# Altium PCB Face_3Key1V0.PcbDoc
Units mm, origin at the board's own origin, x right, y up, seen from the top; angles counter-clockwise.
Board outline 93 x 12 mm, 2 copper layers (Top Layer, Bottom Layer), stack 1.581 mm thick; 4 components, 4 nets, 22 pads, 6 vias.
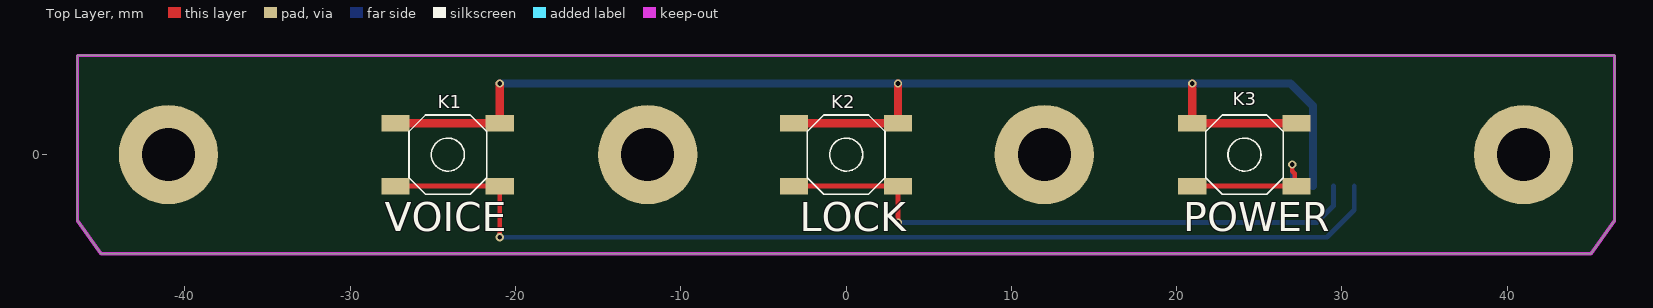
[diagram p0: Top Layer view]
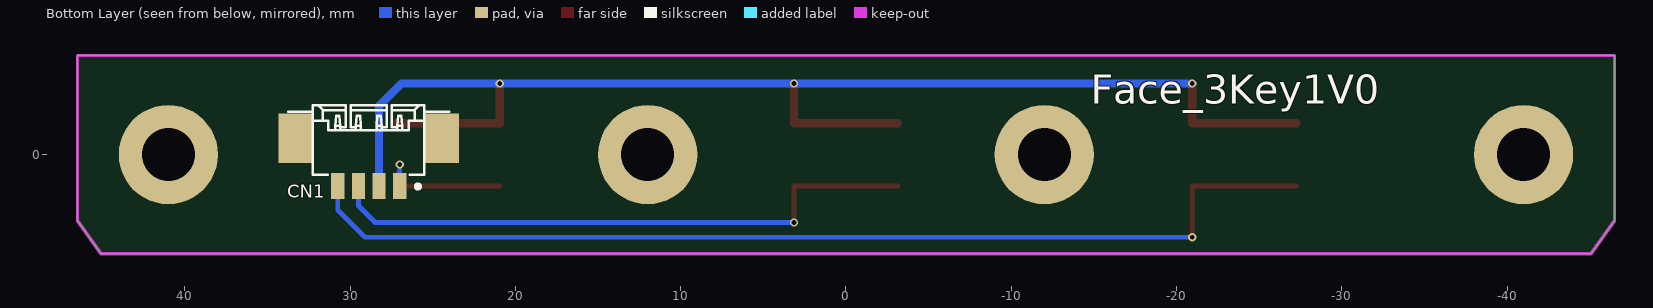
[diagram p1: Bottom Layer view, seen from below]
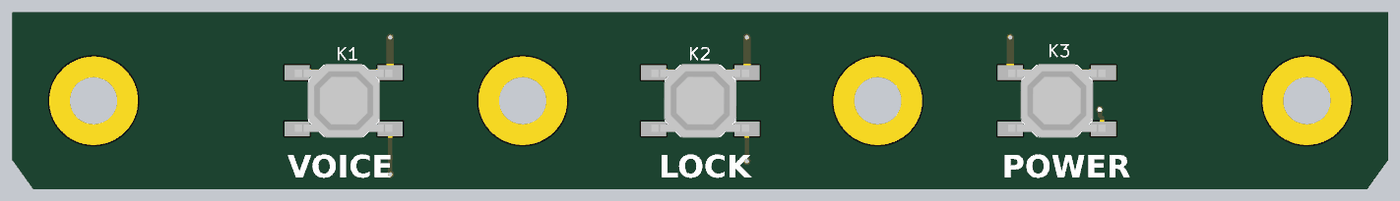
[diagram p2: 3D render of the assembled board from above, using the file's embedded part models]

## Layer stack, top to bottom
Top Solder: solder mask 0.0102, Solder Resist, Dk 3.5
Top Layer: signal copper 0.0356
Dielectric 1: dielectric 1.51, FR-4, Dk 4.8
Bottom Layer: signal copper 0.0356
Bottom Solder: solder mask 0.0102, Solder Resist, Dk 3.5

## Board outline
-46.5,-4 -45.071,-6 45.071,-6 46.5,-4 46.5,6 -46.5,6

## Design rules (kind name [scope] priority, off if disabled: settings)
Clearance [All] p1: gap=0.254 ignorepadtopadclearanceinfootprint=FALSE
HoleSize [All] p1: absolutevalues=TRUE maxlimit=5 minlimit=0.025 maxpercent=80.000 minpercent=20.000
HoleToHoleClearance [All] p1: gap=0 allowstackedmicrovias=TRUE
MinimumSolderMaskSliver [All] p1: minsoldermaskwidth=0.001
PolygonConnect PolygonConnect_GND [(OnLayer('Top Layer') OR OnLayer('BOTTOM Layer') ) AND InNet('GND')] p1: thpad.connectstyle=Relief thpad.reliefconductorwidth=0.254 thpad.reliefentries=4 thpad.polygonreliefangle="90 Angle" thpad.airgapwidth=0.254 smdpad.connectstyle=Relief smdpad.reliefconductorwidth=0.254 smdpad.reliefentries=4 smdpad.polygonreliefangle="90 Angle" smdpad.airgapwidth=0.254 via.connectstyle=Direct via.reliefconductorwidth=0.254 via.reliefentries=4 via.polygonreliefangle="90 Angle" via.airgapwidth=0.254
PolygonConnect PolygonConnect_VIA [ISVIA] p2: connectstyle=Direct reliefconductorwidth=0.254 reliefentries=4 polygonreliefangle="90 Angle" airgapwidth=0.254
PolygonConnect [All] p3: connectstyle=Direct reliefconductorwidth=0.254 reliefentries=4 polygonreliefangle="90 Angle" airgapwidth=0.254
RoomDefinition Face_3Key1V0 [InComponentClass('Face_3Key1V0')] p1: confinementstyle=ConfineIn formatcopy=TRUE lockcomponents=FALSE outline -48,-7.6 48.1,-7.6 48.1,7.4 -48,7.4
RoutingVias [All] p1: holewidth=0.711 width=1.27 viastyle="Through Hole" minholewidth=0.3 minwidth=0.5 maxholewidth=1 maxwidth=2
SilkToSilkClearance [All] p1: silktosilkclearance=0
SilkToSolderMaskClearance [IsPad] p1: minsilkscreentomaskgap=0 clearancetoexposedcopper=TRUE
SolderMaskExpansion [All] p1: expansion=0.102 istentingtop=FALSE
Width [All] p1: maxlimit=3 minlimit=0.15 preferedwidth=0.254
25 further rules are at their usual default settings.

## Components (designator, comment, footprint, x,y, rotation, side; value= is the part's Value field where it differs from the comment)
CN1 "SH1.25-4P-SMD-TOP" SH1.25_4P_SMd_SIDE 24.45,1 r0 bottom
K1 "KEY 5.2X5.2X1.5" "5.2X5.2X1.5 TACT SWITCH" -24.1,0 r180 top locked
K2 "KEY 5.2X5.2X1.5" "5.2X5.2X1.5 TACT SWITCH" 0,0 r180 top locked
K3 "KEY 5.2X5.2X1.5" "5.2X5.2X1.5 TACT SWITCH" 24.1,0 r180 top locked

## Footprints (in the part's own frame and the unit in brackets; to place one, negate y for a bottom-side part, rotate by r counter-clockwise, add the part's x,y. Pads: shape width x height; smd on the part's side, far side on the other; paste and mask are expansions set on the pad)
"5.2X5.2X1.5 TACT SWITCH" [mm]
  rect 1.7x1 smd: 1(-3.15,1.9) 2(3.15,1.9) 3(-3.15,-1.9) 4(3.15,-1.9)
  silkscreen extent -2.36,-2.4 2.34,2.4, body extent -3.3,-2.5 3.3,2.5, height 1.5
SH1.25_4P_SMd_SIDE [mm] "WTB 1.25MM WAFER 90 DEGREE SMT"
  rect 0.8x1.6 smd: 1(2.55,2.9) 2(3.8,2.9) 3(5.05,2.9) 4(6.3,2.9)
  rect 2.1x3 smd: M1(0,0) M2(8.85,0)
  silkscreen extent -0.45,-1.99 9.3,3.05, body extent -0.63,-1.97 9.52,3.33, height 3.45

## Part data
CN1: library part Header4, name1=SH1.25-4P-SMD-Side, Parameter 1=PH2.0-4P-SMD-Top, Parameter 2=PH2.0-4P-SMD-Side, 名称=弯针插座, 物料编号=ECZ02035, 规格，型号="PH 2Pin 间距2.0mm DIP/90°"
K1 K2 K3: library part "Tactile Switch KEY6x6x14", "5.2X5.2X1.5 TACT SWITCH", LatestRevisionDate=17-Jul-2002, LatestRevisionNote="Re-released for DXP Platform.", Publisher="Altium Limited"

## Free pads (board coordinates)
  round 6 hole 3.2: 1(-41,0) 1(-12,0) 1(12,0) 1(41,0)

## Via types
v1: diameter 0.5, hole 0.3, Top Layer to Bottom Layer, tented both sides, 6 vias

## Nets (pads, with @x,y where several pads share a name; then routed paths per layer and width w, separated by ;. In a path a pad name is that pad's centre, name@x,y a point inside that pad or via, vN(x,y) a via of type N, cw(c..) or ccw(c..) an arc to the next point about the centre after c; other vN are vias at no path point)
GND: CN1.2 K1.3 K1.4 K2.3 K2.4 K3.3 K3.4 | length 80.7
  Top Layer w0.5: K1.4 K1.3 v1(-20.95,4.3) ; K2.4 K2.3 v1(3.15,4.3) ; v1(20.95,4.3) K3.4 K3.3
  Bottom Layer w0.5: v1(-20.95,4.3) v1(3.15,4.3) 26.9,4.3 28.25,2.95 CN1.2
LOCK: CN1.3 K2.1 K2.2 | length 36.5
  Top Layer w0.3: K2.2 K2.1 v1(3.15,-4.1)
  Bottom Layer w0.3: v1(3.15,-4.1) 28.5,-4.1 29.5,-3.1 CN1.3
POWER: CN1.1 K3.1 K3.2 | length 8.9
  Top Layer w0.3: K3.2 27.15,-1.9 27.15,-1.15 27,-1 v1(27,-0.6)
  Bottom Layer w0.3: CN1.1 v1(27,-0.6)
VOICE: CN1.4 K1.1 K1.2 | length 63.2
  Top Layer w0.3: K1.2 K1.1 v1(-20.95,-5)
  Bottom Layer w0.3: v1(-20.95,-5) 29.1,-5 30.75,-3.35 CN1.4
pads on no net: CN1.M1 CN1.M2

## Keep-outs
Keep-Out Layer:
  the board outline again, w0.2

## Silkscreen, mask and mechanical layers (free items; w line width, h text height)
Top Overlay:
  text "VOICE" at -27.9,-5.2 h3
  text "LOCK" at -2.8,-5.2 h3
  text "POWER" at 20.4,-5.2 h3
Bottom Overlay:
  text "Face_3Key1V0" at -14.8,2.5 h3
Mechanical 1:
  the board outline again, w0.2
Mechanical 4:
  drawing of 14806 lines, arcs and shapes, not listed